# Altium PCB FlatSat Half1.PcbDoc (part 7 of 9)
Units mil, origin at the board's own origin, x right, y up, seen from the top; angles counter-clockwise.
Board outline 4682 x 10392 mil, 4 copper layers (Top Layer, STR GND 1, STR GND 2, Bottom Layer), stack 33.434 mil thick; 231 components, 255 nets, 990 pads, 1106 vias.
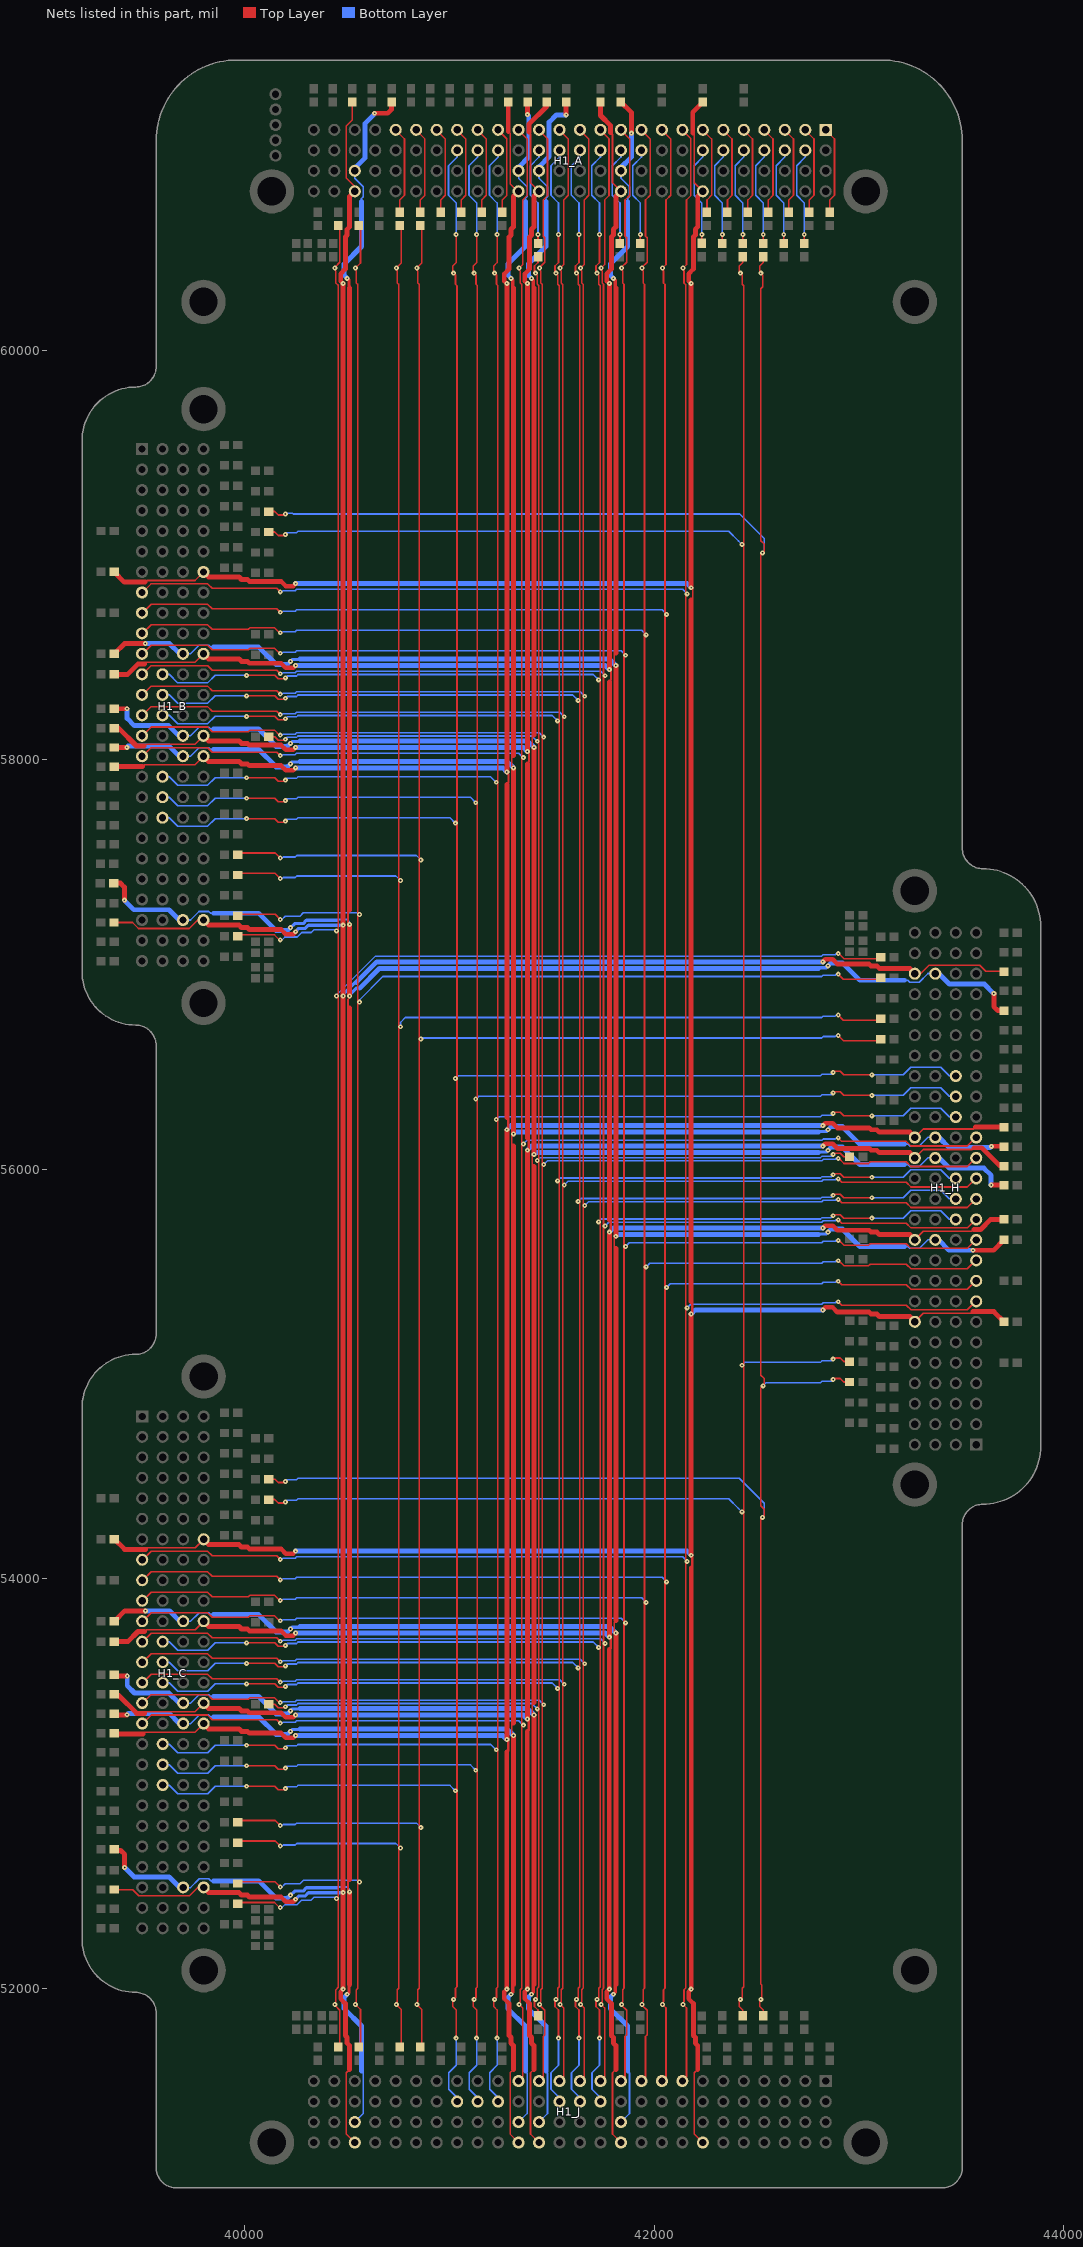
[diagram p9: the nets of this part, all layers, seen from the top]

## Via types
v1: diameter 24, hole 8, Top Layer to Bottom Layer, 1106 vias

## Nets (pads, with @x,y where several pads share a name; then routed paths per layer and width w, separated by ;. In a path a pad name is that pad's centre, name@x,y a point inside that pad or via, vN(x,y) a via of type N, cw(c..) or ccw(c..) an arc to the next point about the centre after c; other vN are vias at no path point) (continued)
GND_11: H1_A.73 H1_B.73 H1_C.73 H1_H.73 H1_J.73 J71_A.2 J71_B.2 J71_C.2 J71_H.2 | length 17200.2
  Top Layer w8: v1(41812,53735) 41804,53743 41804,53787 41812,53795 ; 41812,55613 41804,55621 41804,55665 v1(41812,55673) ; v1(41812,58460) 41804,58468 41804,58512 41812,58520
  Top Layer w16: v1(41800,51971) 41809,51980 41809,52010 41812,52013 41812,52018 ; v1(41800,60351) 41809,60342 41809,60312 41812,60309 41812,60304
  Top Layer w24: J71_B.2@39362.48,58517 39412.95,58567.47 v1(39514,58567.47) ; J71_C.2@39363.48,53793 39413.95,53843.47 v1(39515,53843.47) ; 41812,52018 v1(41812,53735) ; 41812,53795 41812,55613 ; v1(41812,55673) v1(41812,58460) ; 41812,58520 41812,60304 ; J71_A.2@41837,61211.52 41887.47,61161.05 v1(41887.47,61060) ; v1(43556,55604.53) 43657.05,55604.53 J71_H.2@43707.52,55655
  Bottom Layer w8: H1_C.73@39698,53792 39735,53792 39777.53,53834.53 39823.47,53834.53 39833,53825 39848,53825 ; H1_B.73@39698,58517 39735,58517 39776.53,58558.53 39824.47,58558.53 39833,58550 39848,58550 ; H1_J.73@41837,51347 41878.53,51388.53 41878.53,51587.47 41870,51596 ; H1_A.73@41837,60876 41837,60839 41878.53,60797.47 41878.53,60749.53 41870,60741 41870,60726 ; 43223,55623 43238,55623 43247.53,55613.47 43293.47,55613.47 43336,55656 H1_H.73@43373,55656
  Bottom Layer w16: v1(40223,53755) 40232,53764 40262,53764 ; v1(40223,58480) 40232,58489 40262,58489 ; 40265,53767 40270,53767 ; 40265,58492 40270,58492 ; 42801,55681 42806,55681 ; 42809,55684 42839,55684 v1(42848,55693)
  Bottom Layer w22: 40208,53740 v1(40223,53755) ; 40208,58465 v1(40223,58480) ; 41785,51956 v1(41800,51971) ; 41785,60366 v1(41800,60351) ; v1(42848,55693) 42863,55708
  Bottom Layer w24: v1(39514,58567.47) 39631.53,58567.47 39682,58517 H1_B.73@39698,58517 ; v1(39515,53843.47) 39632.53,53843.47 39683,53793 H1_C.73@39699,53793 ; 39848,53825 40068,53825 40153,53740 40208,53740 ; 39848,58550 40068,58550 40153,58465 40208,58465 ; 40270,53767 41780,53767 v1(41812,53735) ; 40270,58492 41780,58492 v1(41812,58460) ; 41785,51956 41785,51901 41870,51816 41870,51596 ; 41785,60366 41785,60421 41870,60506 41870,60726 ; v1@41813,55674 41820,55681 42801,55681 ; H1_A.73@41837,60876 41837,60892 41887.47,60942.47 v1(41887.47,61060) ; 42863,55708 42918,55708 43003,55623 43223,55623 ; H1_H.73@43372,55655 43388,55655 43438.47,55604.53 v1(43556,55604.53)
GND_12: H1_A.81 H1_B.81 H1_C.81 H1_H.81 H1_J.81 J81_A.2 J81_B.2 J81_C.2 J81_H.2 | length 16953.9
  Top Layer w8: v1(41412,53335) 41404,53343 41404,53387 41412,53395 ; 41412,56013 41404,56021 41404,56065 v1(41412,56073) ; v1(41412,58060) 41404,58068 41404,58112 41412,58120
  Top Layer w16: v1(41400,51971) 41409,51980 41409,52010 41412,52013 41412,52018 ; v1(41400,60351) 41409,60342 41409,60312 41412,60309 41412,60304
  Top Layer w24: J81_B.2@39362.48,58248.9 39421.9,58248.9 39422,58249 v1(39425,58249) ; J81_C.2@39363.48,53524.9 v1@39422.9,53524.9 ; 41412,52018 v1(41412,53335) ; 41412,53395 41412,56013 ; v1(41412,56073) v1(41412,58060) ; 41412,58120 41412,60304 ; v1@41568.9,61152.1 J81_A.2@41568.9,61211.52 ; v1@43648.1,55923.1 J81_H.2@43707.52,55923.1
  Bottom Layer w8: H1_C.81@39698,53392 39735,53392 39777.53,53434.53 39823.47,53434.53 39833,53425 39848,53425 ; H1_B.81@39698,58117 39735,58117 39776.53,58158.53 39824.47,58158.53 39833,58150 39848,58150 ; H1_J.81@41437,51347 41478.53,51388.53 41478.53,51587.47 41470,51596 ; H1_A.81@41437,60876 41437,60839 41478.53,60797.47 41478.53,60749.53 41470,60741 41470,60726 ; 43223,56023 43238,56023 43247.53,56013.47 43293.47,56013.47 43336,56056 H1_H.81@43373,56056
  Bottom Layer w16: v1(40223,53355) 40232,53364 40262,53364 ; v1(40223,58080) 40232,58089 40262,58089 ; 40265,53367 40270,53367 ; 40265,58092 40270,58092 ; 42801,56081 42806,56081 ; 42809,56084 42839,56084 v1(42848,56093)
  Bottom Layer w22: 40208,53340 v1(40223,53355) ; 40208,58065 v1(40223,58080) ; 41385,51956 v1(41400,51971) ; 41385,60366 v1(41400,60351) ; v1(42848,56093) 42863,56108
  Bottom Layer w24: v1(39425,58249) 39425,58202 39460.47,58166.53 39628.47,58166.53 39678,58117 H1_B.81@39698,58117 ; v1(39426,53525) 39426,53478 39461.47,53442.53 39629.47,53442.53 39679,53393 H1_C.81@39699,53393 ; 39848,53425 40068,53425 40153,53340 40208,53340 ; 39848,58150 40068,58150 40153,58065 40208,58065 ; 40270,53367 41380,53367 v1(41412,53335) ; 40270,58092 41380,58092 v1(41412,58060) ; 41385,51956 41385,51901 41470,51816 41470,51596 ; 41385,60366 41385,60421 41470,60506 41470,60726 ; v1(41412,56073) 41420,56081 42801,56081 ; H1_A.81@41437,60876 41437,60896 41486.53,60945.53 41486.53,61113.53 41522,61149 v1(41569,61149) ; 42863,56108 42918,56108 43003,56023 43223,56023 ; H1_H.81@43372,56055 43392,56055 43441.53,56005.47 43609.53,56005.47 43645,55970 v1(43645,55923)
GND_13: H1_A.83 H1_B.83 H1_C.83 H1_H.83 H1_J.83 J83_A.2 J83_B.2 J83_C.2 J83_H.2 | length 16627.6
  Top Layer w8: v1(41312,53235) 41304,53243 41304,53287 41312,53295 ; 41312,56113 41304,56121 41304,56165 v1(41312,56173) ; v1(41312,57960) 41304,57968 41304,58012 41312,58020
  Top Layer w16: v1(41300,51971) 41309,51980 41309,52010 41312,52013 41312,52018 ; v1(41300,60351) 41309,60342 41309,60312 41312,60309 41312,60304
  Top Layer w24: J83_B.2@39362.48,58059.59 39423.59,58059.59 v1(39424,58060) ; J83_C.2@39363.48,53335.59 v1@39424.59,53335.59 ; 41311,52017 41312,52018 v1(41312,53235) ; 41312,53295 41312,56113 ; v1(41312,56173) v1(41312,57960) ; 41312,58020 41312,60304 ; v1@41379.59,61150.41 J83_A.2@41379.59,61211.52 ; v1@43646.41,56112.41 J83_H.2@43707.52,56112.41
  Bottom Layer w8: H1_C.83@39698,53292 39735,53292 39777.53,53334.53 39823.47,53334.53 39833,53325 39848,53325 ; H1_B.83@39698,58017 39735,58017 39776.53,58058.53 39824.47,58058.53 39833,58050 39848,58050 ; H1_J.83@41337,51347 41378.53,51388.53 41378.53,51587.47 41370,51596 ; H1_A.83@41337,60876 41337,60839 41378.53,60797.47 41378.53,60749.53 41370,60741 41370,60726 ; 43223,56123 43238,56123 43247.53,56113.47 43293.47,56113.47 43336,56156 H1_H.83@43373,56156
  Bottom Layer w16: v1(40223,53255) 40232,53264 40262,53264 ; v1(40223,57980) 40232,57989 40262,57989 ; 40265,53267 40270,53267 ; 40265,57992 40270,57992 ; 42801,56181 42806,56181 ; 42809,56184 42839,56184 v1(42848,56193)
  Bottom Layer w22: 40208,53240 v1(40223,53255) ; 40208,57965 v1(40223,57980) ; 41285,51956 v1(41300,51971) ; 41285,60366 v1(41300,60351) ; v1(42848,56193) 42863,56208
  Bottom Layer w24: v1(39424,58060) 39430.53,58066.53 39630.47,58066.53 39680,58017 H1_B.83@39698,58017 ; v1(39425,53336) 39431.53,53342.53 39631.47,53342.53 39681,53293 H1_C.83@39699,53293 ; 39848,53325 40068,53325 40153,53240 40208,53240 ; 39848,58050 40068,58050 40153,57965 40208,57965 ; 40270,53267 41280,53267 v1(41312,53235) ; 40270,57992 41280,57992 v1(41312,57960) ; 41285,51956 41285,51901 41370,51816 41370,51596 ; 41285,60366 41285,60421 41370,60506 41370,60726 ; v1(41312,56173) 41320,56181 42801,56181 ; H1_A.83@41337,60876 41337,60894 41386.53,60943.53 41386.53,61143.47 v1(41380,61150) ; 42863,56208 42918,56208 43003,56123 43223,56123 ; H1_H.83@43372,56155 43390,56155 43439.53,56105.47 43639.47,56105.47 v1(43646,56112)
GND_14: H1_A.99 H1_B.99 H1_C.99 H1_H.99 H1_J.99 J99_A.2 J99_B.2 J99_C.2 J99_H.2 | length 16252.3
  Top Layer w8: v1@40510,57197 40504,57203 40504,57259 40512,57267 ; v1(40512,52471) 40504,52479 40504,52523 40512,52531 ; 40512,56787 40504,56795 40504,56829 40512,56837 v1(40512,56846)
  Top Layer w16: v1(40500,51971) 40509,51980 40509,52010 40512,52013 40512,52017.38 ; v1(40500,60351) 40509,60342 40509,60312 40512,60309 40512,60304
  Top Layer w24: J99_B.2@39359.48,57397 39393,57397 39412,57378 v1(39412,57314) ; J99_C.2@39360.48,52673 39394,52673 39413,52654 v1(39413,52590) ; 40512,52017.38 v1(40512,52471) ; 40512,52531 40512,56787 ; v1(40512,56846) v1@40512,57194 ; 40512,57267 40512,60304 ; v1(40634,61157) 40698,61157 40717,61176 J99_A.2@40717,61209.52 ; v1(43658,56858) 43658,56794 43677,56775 J99_H.2@43710.52,56775
  Bottom Layer w8: H1_C.99@39698,52492 39735,52492 39777.53,52534.53 39823.47,52534.53 39833,52525 39848,52525 ; H1_B.99@39698,57217 39735,57217 39776.53,57258.53 39824.47,57258.53 39833,57250 39848,57250 ; 40451,52491 40455,52495 40499,52495 40510,52484 ; 40451,57216 40455,57220 40499,57220 40510,57209 ; H1_J.99@40537,51347 40578.53,51388.53 40578.53,51587.47 40570,51596 ; H1_A.99@40537,60876 40537,60839 40578.53,60797.47 40578.53,60749.53 40570,60741 40570,60726 ; 43223,56923 43238,56923 43247.53,56913.47 43293.47,56913.47 43336,56956 H1_H.99@43373,56956
  Bottom Layer w16: v1(40223,52455) 40243,52475 40284.83,52475 40300.83,52491 40451,52491 ; v1(40223,57180) 40243,57200 40284.83,57200 40300.83,57216 40451,57216 ; v1(40512,56846) 40512,56852.38 40544.45,56884.83 40561.42,56884.83 ; 42801,56981 42806,56981 ; 42809,56984 42839,56984 v1(42848,56993)
  Bottom Layer w22: 40208,52440 v1(40223,52455) ; 40208,57165 v1(40223,57180) ; 40485,51956 v1(40500,51971) ; 40485,60366 v1(40500,60351) ; v1(42848,56993) 42863,57008
  Bottom Layer w24: v1(39412,57314) 39458.53,57267.47 39629.53,57267.47 39680,57217 H1_B.99@39698,57217 ; v1(39413,52590) 39459.53,52543.47 39630.53,52543.47 39681,52493 H1_C.99@39699,52493 ; 39848,52525 40068,52525 40153,52440 40208,52440 ; 39848,57250 40068,57250 40153,57165 40208,57165 ; 40485,51956 40485,51901 40570,51816 40570,51596 ; 40485,60366 40485,60421 40570,60506 40570,60726 ; H1_A.99@40537,60876 40537,60889 40587.47,60939.47 40587.47,61107.59 40634,61154.12 v1(40634,61157) ; 40561.42,56884.83 40657.59,56981 42801,56981 ; 42863,57008 42918,57008 43003,56923 43223,56923 ; H1_H.99@43372,56955 43390,56955 43440.47,56904.53 43611.47,56904.53 v1(43658,56858)
  other v1: 40512,57196
GND_15: H1_A.66 H1_B.66 H1_C.66 H1_H.66 H1_J.66 J66_A.1 J66_B.1 J66_C.1 J66_H.1 | length 17496.7
  Top Layer w8: 39514,58867.47 39522,58875.47 39756.47,58875.47 H1_B.66@39798,58917 ; 39515,54143.47 39523,54151.47 39757.47,54151.47 39798,54192 H1_C.66@39799,54193 ; 42180,58780 42188,58788 42188,58832 v1(42180,58840) ; 42187.47,61060 42195.47,61052 42195.47,60817.53 H1_A.66@42237,60776 ; 42212,51604 42195.47,51587.47 42195.47,51288.53 H1_J.66@42237,51247 ; H1_H.66@43272,55255 43273,55256 43313.53,55296.53 43548,55296.53 43556,55304.53
  Top Layer w12: 42180,54055 42186,54061 42186,54109 v1(42180,54115) ; v1@42180,55295 42186,55301 42186,55347 42180,55353
  Top Layer w22: 40177,54146 40200,54123 40236.25,54123 ; 40177,58871 40200,58848 40236.25,58848 v1@40248.13,58859.87 ; v1@42179.87,51996.13 42168,51984.25 42168,51948 42191,51925 ; v1@42179.87,60325.87 42168,60337.75 42168,60374 42191,60397 ; v1(42180,51996) 42180,54055 ; v1@42822.87,55313.13 42834.75,55325 42871,55325 42894,55302
  Top Layer w24: J66_B.1@39362.48,58917 39412.01,58867.47 39514,58867.47 ; J66_C.1@39363.48,54193 39413.01,54143.47 39515,54143.47 ; H1_C.66@39798,54192 39823,54167 39972,54167 39984,54155 40012.6,54155 40021.6,54146 40177,54146 ; H1_B.66@39798,58917 39823,58892 39972,58892 39984,58880 40012.6,58880 40021.6,58871 40177,58871 ; v1(42180,54115) v1(42180,55293) ; 42180,55353 42180,58780 ; v1(42180,58840) v1(42180,60326) ; 42187.47,61060 42187.47,61161.99 J66_A.1@42237,61211.52 ; 42191,51925 42191,51769.6 42200,51760.6 42200,51732 42212,51720 42212,51604 ; 42191,60397 42191,60552.4 42200,60561.4 42200,60590 42212,60602 42212,60751 H1_A.66@42237,60776 ; 42894,55302 43049.4,55302 43058.4,55293 43087,55293 43099,55281 43248,55281 H1_H.66@43273,55256 ; 43556,55304.53 43657.99,55304.53 J66_H.1@43707.52,55255
  Bottom Layer w24: v1(40248,54135) 42160,54135 v1(42180,54115) ; v1(40248,58860) 42160,58860 v1(42180,58840) ; v1(42180,55293) 42200,55313 v1(42823,55313)
GND_16: H1_A.74 H1_B.74 H1_C.74 H1_H.74 H1_J.74 J74_A.1 J74_B.1 J74_C.1 J74_H.1 | length 17117
  Top Layer w8: 39510,58466.53 39518.94,58475.47 39756.47,58475.47 H1_B.74@39798,58517 ; 39511,53742.53 39519.94,53751.47 39757.47,53751.47 39798,53792 H1_C.74@39799,53793 ; 41780,58380 41788,58388 41788,58432 v1(41780,58440) ; 41786.53,61064 41795.47,61055.06 41795.47,60817.53 H1_A.74@41837,60776 ; 41812,51604 41795.47,51587.47 41795.47,51288.53 H1_J.74@41837,51247 ; H1_H.74@43272,55655 43273,55656 43313.53,55696.53 43551.06,55696.53 43560,55705.47
  Top Layer w12: 41780,53655 41786,53661 41786,53709 v1(41780,53715) ; v1(41780,55693) 41786,55699 41786,55747 41780,55753
  Top Layer w22: 40177,53746 40200,53723 40236.25,53723 v1@40248.13,53734.87 ; 40177,58471 40200,58448 40236.25,58448 v1@40248.13,58459.87 ; v1@41779.87,51996.13 41768,51984.25 41768,51948 41791,51925 ; v1@41779.87,60325.87 41768,60337.75 41768,60374 41791,60397 ; v1(41780,51996) 41780,53655 ; v1@42822.87,55713.13 42834.75,55725 42871,55725 42894,55702
  Top Layer w24: J74_B.1@39362.48,58417 39427.96,58417 39477.49,58466.53 39510,58466.53 ; J74_C.1@39363.48,53693 39428.96,53693 39478.49,53742.53 39511,53742.53 ; H1_C.74@39798,53792 39823,53767 39972,53767 39984,53755 40012.6,53755 40021.6,53746 40177,53746 ; H1_B.74@39798,58517 39823,58492 39972,58492 39984,58480 40012.6,58480 40021.6,58471 40177,58471 ; J74_A.1@41737,61211.52 41737,61146.04 41786.53,61096.51 41786.53,61064 ; v1(41780,53715) v1(41780,55693) ; 41780,55753 41780,58380 ; v1(41780,58440) v1(41780,60326) ; 41791,51925 41791,51769.6 41800,51760.6 41800,51732 41812,51720 41812,51604 ; 41791,60397 41791,60552.4 41800,60561.4 41800,60590 41812,60602 41812,60751 H1_A.74@41837,60776 ; 42894,55702 43049.4,55702 43058.4,55693 43087,55693 43099,55681 43248,55681 H1_H.74@43273,55656 ; 43560,55705.47 43592.51,55705.47 43642.04,55755 J74_H.1@43707.52,55755
  Bottom Layer w24: v1(40248,53735) 41760,53735 v1(41780,53715) ; v1(40248,58460) 41760,58460 v1(41780,58440) ; v1(41780,55693) 41800,55713 v1(42823,55713)
GND_17: H1_A.82 H1_B.82 H1_C.82 H1_H.82 H1_J.82 J82_A.1 J82_B.1 J82_C.1 J82_H.1 | length 16778.7
  Top Layer w8: 39509,58067 39517.47,58075.47 39756.47,58075.47 H1_B.82@39798,58117 ; 39510,53343 39518.47,53351.47 39757.47,53351.47 39798,53392 H1_C.82@39799,53393 ; 41380,57980 41388,57988 41388,58032 v1(41380,58040) ; 41387,61065 41395.47,61056.53 41395.47,60817.53 H1_A.82@41437,60776 ; 41412,51604 41395.47,51587.47 41395.47,51288.53 H1_J.82@41437,51247 ; H1_H.82@43272,56055 43273,56056 43313.53,56096.53 43552.53,56096.53 43561,56105
  Top Layer w12: 41380,53255 41386,53261 41386,53309 v1(41380,53315) ; v1(41380,56093) 41386,56099 41386,56147 41380,56153
  Top Layer w22: 40177,53346 40200,53323 40236.25,53323 v1@40248.13,53334.87 ; 40177,58071 40200,58048 40236.25,58048 v1@40248.13,58059.87 ; v1@41379.87,51996.13 41368,51984.25 41368,51948 41391,51925 ; v1@41379.87,60325.87 41368,60337.75 41368,60374 41391,60397 ; v1(41380,51996) 41380,53255 ; v1@42822.87,56113.13 42834.75,56125 42871,56125 42894,56102
  Top Layer w24: J82_B.1@39362.48,58154.24 39383.76,58154.24 39471,58067 39509,58067 ; J82_C.1@39363.48,53430.24 39384.76,53430.24 39472,53343 39510,53343 ; H1_C.82@39798,53392 39823,53367 39972,53367 39984,53355 40012.6,53355 40021.6,53346 40177,53346 ; H1_B.82@39798,58117 39823,58092 39972,58092 39984,58080 40012.6,58080 40021.6,58071 40177,58071 ; v1(41380,53315) v1(41380,56093) ; 41380,56153 41380,57980 ; v1(41380,58040) v1(41380,60326) ; 41387,61065 41387,61103 41474.24,61190.24 J82_A.1@41474.24,61211.52 ; 41391,51925 41391,51769.6 41400,51760.6 41400,51732 41412,51720 41412,51604 ; 41391,60397 41391,60552.4 41400,60561.4 41400,60590 41412,60602 41412,60751 H1_A.82@41437,60776 ; 42894,56102 43049.4,56102 43058.4,56093 43087,56093 43099,56081 43248,56081 H1_H.82@43273,56056 ; 43561,56105 43599,56105 43686.24,56017.76 J82_H.1@43707.52,56017.76
  Bottom Layer w24: v1(40248,53335) 41360,53335 v1(41380,53315) ; v1(40248,58060) 41360,58060 v1(41380,58040) ; v1(41380,56093) 41400,56113 v1(42823,56113)
GND_18: H1_A.84 H1_B.84 H1_C.84 H1_H.84 H1_J.84 J84_A.1 J84_B.1 J84_C.1 J84_H.1 | length 16536.5
  Top Layer w8: 39501,57966.53 39509.94,57975.47 39756.47,57975.47 H1_B.84@39798,58017 ; 39502,53242.53 39510.94,53251.47 39757.47,53251.47 39798,53292 H1_C.84@39799,53293 ; 41280,57880 41288,57888 41288,57932 v1(41280,57940) ; 41286.53,61068 41295.47,61059.06 41295.47,60812.53 41334.5,60773.5 H1_A.84@41337,60771 ; 41312,51604 41295.47,51587.47 41295.47,51288.53 H1_J.84@41337,51247 ; H1_H.84@43272,56155 43273,56156 43313.53,56196.53 43560.06,56196.53 43569,56205.47
  Top Layer w12: 41280,53155 41286,53161 41286,53209 v1(41280,53215) ; v1(41280,56193) 41286,56199 41286,56247 41280,56253
  Top Layer w22: 40177,53246 40200,53223 40236.25,53223 v1@40248.13,53234.87 ; 40177,57971 40200,57948 40236.25,57948 v1@40248.13,57959.87 ; v1@41279.87,51996.13 41268,51984.25 41268,51948 41291,51925 ; v1@41279.87,60325.87 41268,60337.75 41268,60374 41291,60397 ; v1(41280,51996) 41280,53155 ; v1@42822.87,56213.13 42834.75,56225 42871,56225 42894,56202
  Top Layer w24: J84_B.1@39362.48,57964.93 39362.48,57966.53 39501,57966.53 ; J84_C.1@39363.48,53242.53 39502,53242.53 ; H1_C.84@39798,53292 39823,53267 39972,53267 39984,53255 40012.6,53255 40021.6,53246 40177,53246 ; H1_B.84@39798,58017 39823,57992 39972,57992 39984,57980 40012.6,57980 40021.6,57971 40177,57971 ; v1(41280,53215) v1(41280,56193) ; 41280,56253 41280,57880 ; v1(41280,57940) v1(41280,60326) ; 41286.53,61068 J84_A.1@41286.53,61206.52 ; 41291,51925 41291,51769.6 41300,51760.6 41300,51732 41312,51720 41312,51604 ; 41291,60397 41291,60552.4 41300,60561.4 41300,60590 41312,60602 41312,60751 41334.5,60773.5 H1_A.84@41337,60776 ; 42894,56202 43049.4,56202 43058.4,56193 43087,56193 43099,56181 43248,56181 H1_H.84@43273,56156 ; 43569,56205.47 J84_H.1@43707.52,56205.47
  Bottom Layer w24: v1(40248,53235) 41260,53235 v1(41280,53215) ; v1(40248,57960) 41260,57960 v1(41280,57940) ; v1(41280,56193) 41300,56213 v1(42823,56213)
GND_19: H1_A.100 H1_B.100 H1_C.100 H1_H.100 H1_J.100 J100_A.1 J100_B.1 J100_C.1 J100_H.1 | length 15832
  Top Layer w8: J100_B.1@39361.48,57205 39451.27,57205 39480.8,57175.47 39715.2,57175.47 39715.26,57175.53 39728.53,57175.53 39770,57217 H1_B.100@39798,57217 ; J100_C.1@39362.48,52481 39452.27,52481 39481.8,52451.47 39716.2,52451.47 ; 39716.26,52451.53 39729.53,52451.53 39771,52493 H1_C.100@39799,52493 ; 40495.47,60853.8 40495.47,61094.47 40525,61124 J100_A.1@40525,61207.52 ; 40495.53,60853.74 40495.53,60840.47 40537,60799 H1_A.100@40537,60776 H1_A.100@40537,60771 ; 40512,51604 40495.47,51587.47 40495.47,51288.53 H1_J.100@40537,51247 ; H1_H.100@43272,56955 43300,56955 43341.47,56996.47 43354.74,56996.47 ; 43354.8,56996.53 43589.2,56996.53 43618.73,56967 J100_H.1@43708.52,56967
  Top Layer w22: 40177,52446 40200,52423 40236.25,52423 v1@40248.13,52434.87 ; 40177,57171 40200,57148 40236.25,57148 v1@40248.13,57159.87 ; v1@40479.87,51996.13 40468,51984.25 40468,51948 40491,51925 ; v1@40479.87,60325.87 40468,60337.75 40468,60374 40491,60397 ; v1@42822.87,57013.13 42834.75,57025 42871,57025 42894,57002
  Top Layer w24: H1_C.100@39798,52492 39823,52467 39972,52467 39984,52455 40012.6,52455 40021.6,52446 40177,52446 ; H1_B.100@39798,57217 39823,57192 39972,57192 39984,57180 40012.6,57180 40021.6,57171 40177,57171 ; v1(40480,51996) v1(40480,52467) v1(40480,56846) v1(40480,57192) v1(40480,60326) ; 40491,51925 40491,51769.6 40500,51760.6 40500,51732 40512,51720 40512,51604 ; 40491,60397 40491,60552.4 40500,60561.4 40500,60590 40512,60602 40512,60751 H1_A.100@40537,60776 ; 42894,57002 43049.4,57002 43058.4,56993 43087,56993 43099,56981 43248,56981 H1_H.100@43273,56956
  Bottom Layer w16: v1(40248,52435) 40264,52451 40294.77,52451 40310.77,52467 v1(40480,52467) ; v1(40248,57160) 40264,57176 40294.77,57176 40310.77,57192 v1(40480,57192) ; v1(40480,56846) 40480,56854.32 40538.51,56912.83 40544.17,56912.83
  Bottom Layer w24: 40544.17,56912.83 40644.33,57013 v1(42823,57013)
GPIO_ADCS_1: R8_A.2 R8_B.2 R8_C.2 R8_E.2 R8_H.2 | length 14203.2
  Top Layer w8: R8_C.2@40117.48,54487 40146,54487 40163,54470 40193,54470 v1(40198,54475) ; R8_B.2@40117.48,59212 40146,59212 40163,59195 40193,59195 v1(40198,59200) ; v1(42528,59010) 42520,59010 42520,54993.94 42536,54977.94 42536,54948 42520,54932 42520,54355.37 42521.37,54354 42521.94,54354 42537,54338.94 42537,54309 v1(42528,54300) 42520,54292 42520,52021.63 42525,52016.63 42525,51951 v1(42520,51946) 42515,51941 42515,51911 42532,51894 R8_E.2@42532,51865.48 ; R8_A.2@42532,60456.85 R8_A.2@42532,60456.52 42532,60428 42515,60411 42515,60381 v1(42520,60376) 42529,60367 42529,60309.37 42520,60300.37 42520,59069 42536,59053 v1@42536,59010 ; v1(42873,54973) 42878,54978 42908,54978 42925,54961 R8_H.2@42953.52,54961
  Bottom Layer w8: v1(40198,54475) 40207,54484 40252.41,54484 40259.41,54491 42414.63,54491 42536,54369.63 42536,54310 ; v1(40198,59200) 40202,59204 40232.94,59204 40236.94,59200 42416.57,59200 42536,59080.57 v1@42536,59010 ; v1@42530.63,54942.63 42545,54957 42811.59,54957 42818.59,54964 42864,54964 v1(42873,54973)
  other v1: 42531.25,54942
GPIO_ADCS_2: R10_A.2 R10_B.2 R10_C.2 R10_E.2 R10_H.2 | length 13877.8
  Top Layer w8: R10_C.2@40117.15,54387 R10_C.2@40117.48,54387 40146,54387 40163,54370 40193,54370 v1(40198,54375) ; R10_B.2@40117.15,59112 R10_B.2@40117.48,59112 40146,59112 40163,59095 40193,59095 v1(40198,59100) ; R10_E.2@42432,51865.15 R10_E.2@42432,51865.48 42432,51894 42415,51911 42415,51941 v1(42420,51946) 42429,51955 42429,52000.41 42436,52007.41 42436,60314.59 42429,60321.59 42429,60367 v1(42420,60376) 42415,60381 42415,60411 42432,60428 R10_A.2@42432,60456.52 R10_A.2@42432,60456.85 ; v1(42873,55073) 42878,55078 42908,55078 42925,55061 R10_H.2@42953.52,55061 R10_H.2@42953.85,55061